# Altium PCB PCB_HydroPore.PcbDoc (part 2 of 2)
Units mm, origin at the board's own origin, x right, y up, seen from the top; angles counter-clockwise.
Board outline 152.4 x 101.6 mm, 4 copper layers (Top Layer, Int1 (GND), Int2(PWR), Bottom Layer), stack 2.14 mm thick; 268 components, 155 nets, 825 pads, 191 vias.
Unrouted connection lines stored in the file: 6.
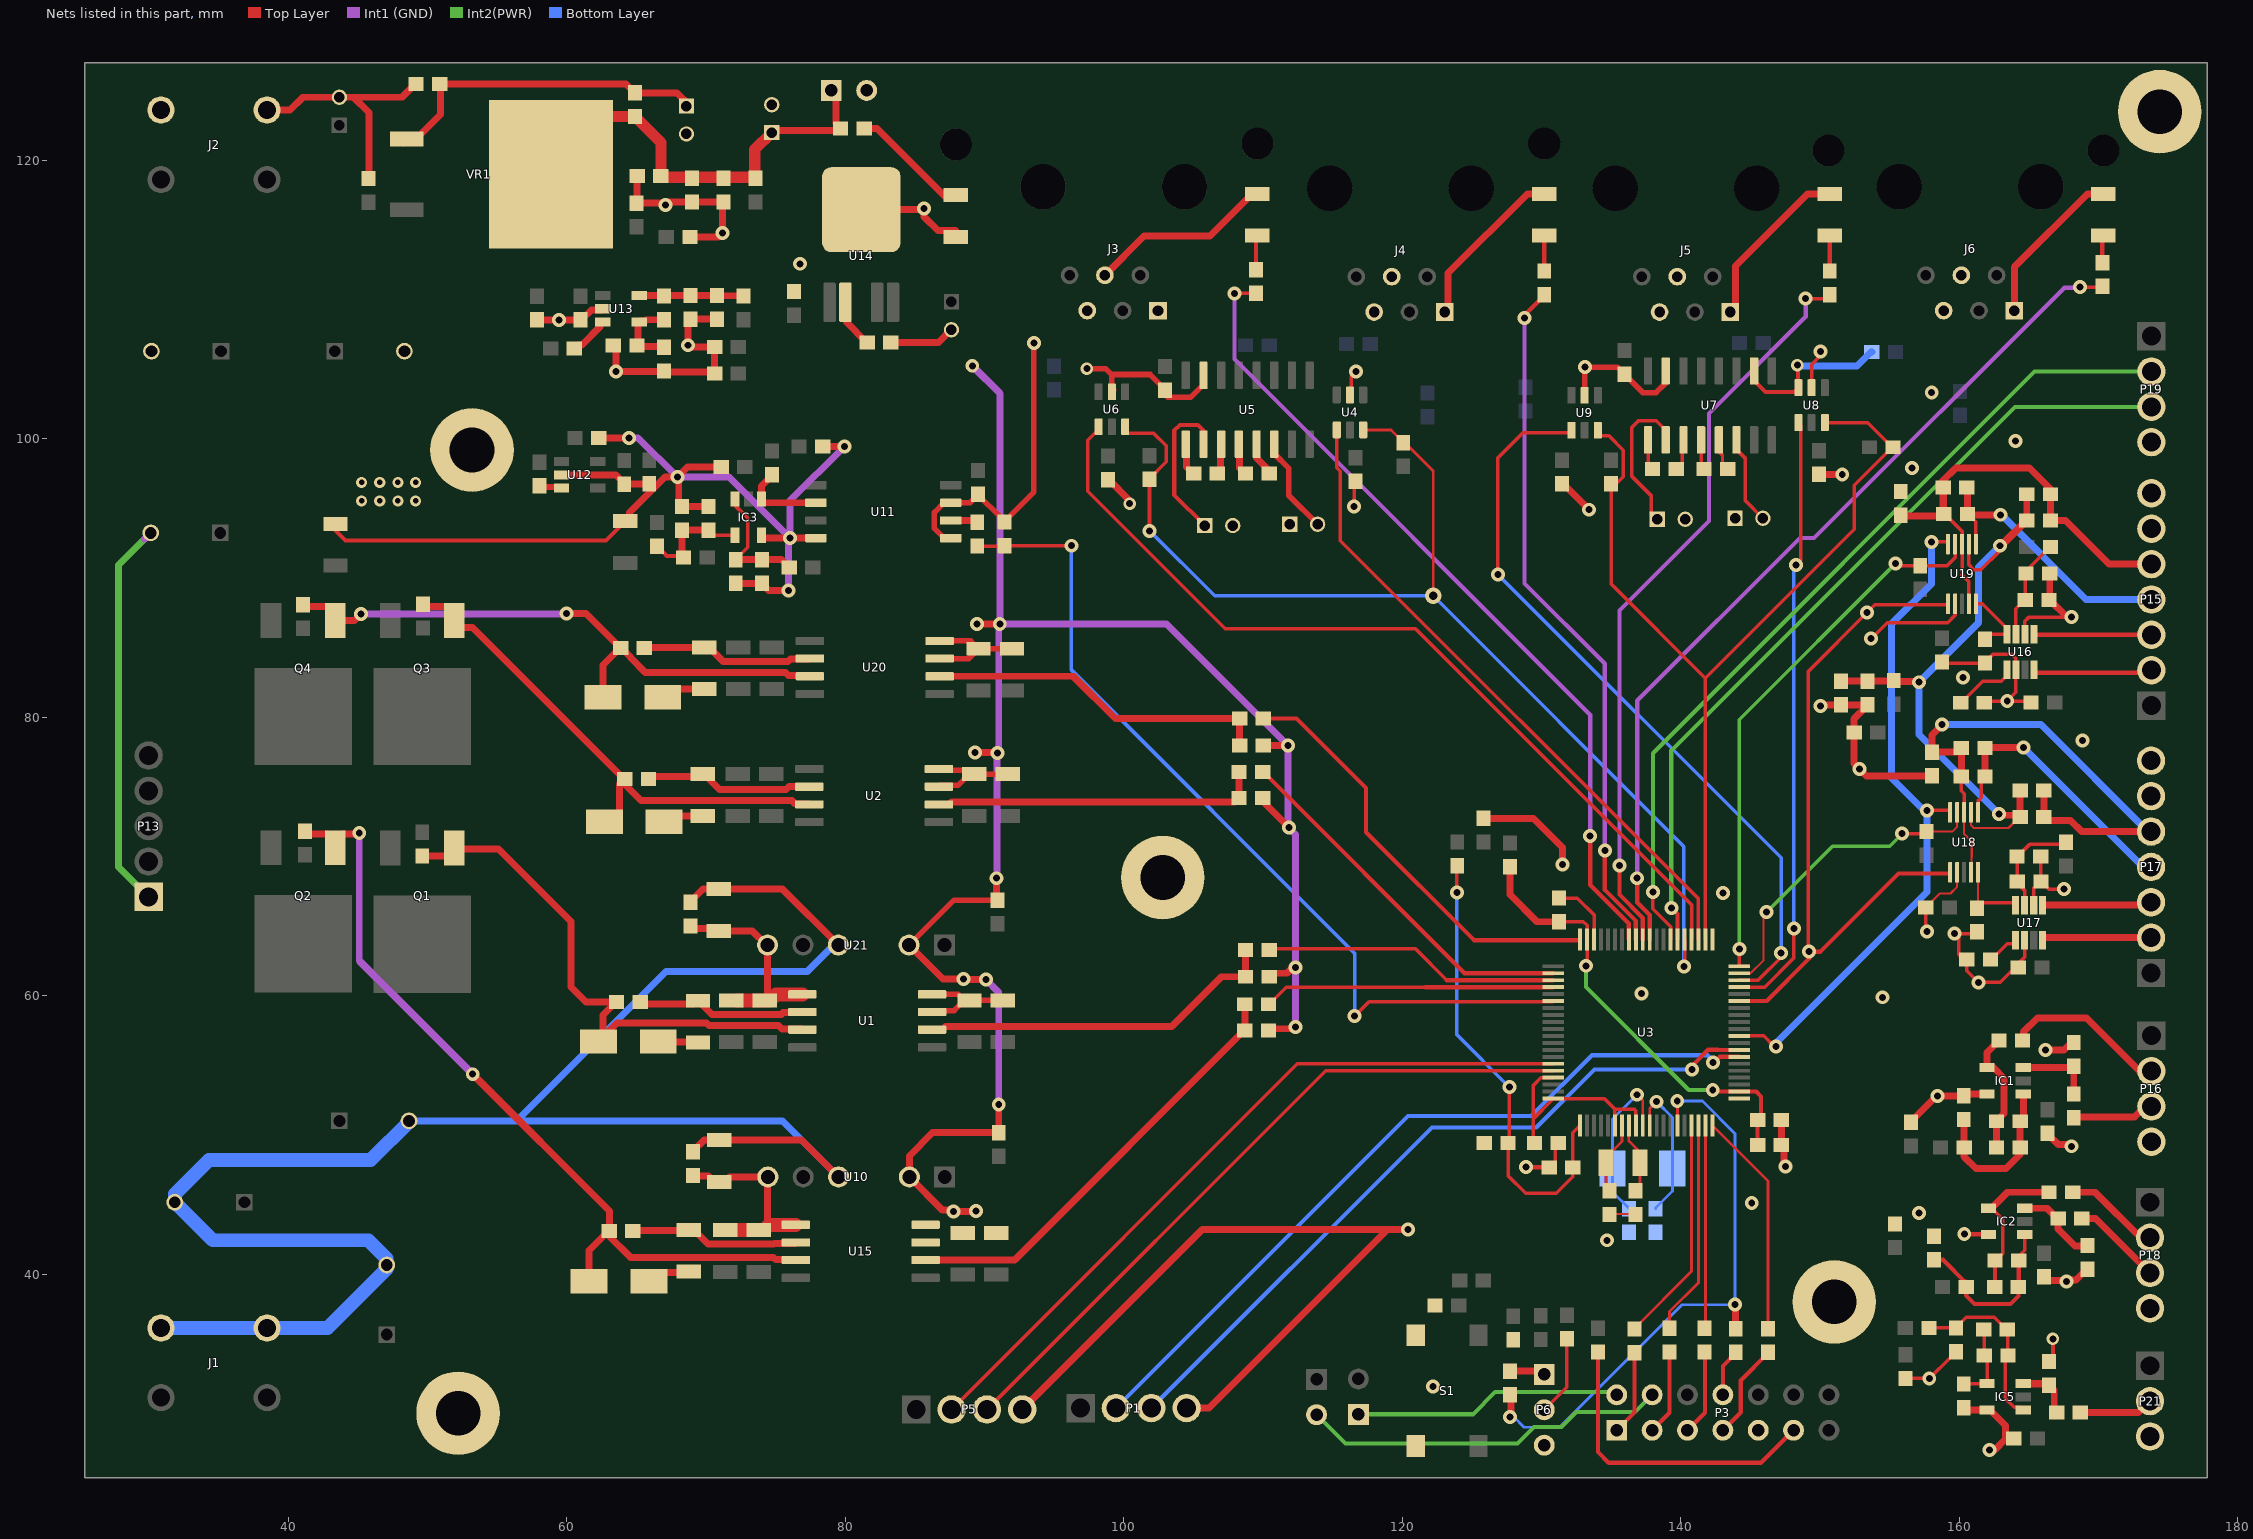
[diagram p4: the nets of this part, all layers, seen from the top]

## Via types
v1: diameter 1, hole 0.5, Top Layer to Bottom Layer, 159 vias
v2: diameter 0.8, hole 0.4, Top Layer to Bottom Layer, 23 vias
v3: diameter 0.9, hole 0.5, Top Layer to Bottom Layer, 4 vias
v4: diameter 1.1, hole 0.5, Top Layer to Bottom Layer, 3 vias
v5: diameter 1.2, hole 0.6, Top Layer to Bottom Layer, 2 vias

## Nets (pads, with @x,y where several pads share a name; then routed paths per layer and width w, separated by ;. In a path a pad name is that pad's centre, name@x,y a point inside that pad or via, vN(x,y) a via of type N, cw(c..) or ccw(c..) an arc to the next point about the centre after c; other vN are vias at no path point) (continued)
CAM4_TX*: R75.1 U7.10 U8.3 | length 11.8
  Top Layer w0.15: U8.3@148.412,103.717 U8.3@148.45,103.68
  Top Layer w0.25: U8.3@148.45,103.676 U8.3@148.45,103.68
  Top Layer w0.3: U7.10@145.275,104.875 145.275,104.19 146.09,103.375 148.149,103.375 U8.3@148.45,103.676 ; v3(148.375,105.3) 148.412,105.262 U8.3@148.412,103.717
  Bottom Layer w0.5: v3(148.375,105.3) 148.454,105.221 152.671,105.221 153.675,106.225 R75.1@153.725,106.225
CELL1_SENSE+: C95.2 C96.2 P15.4 U19.6 | length 19.8
  Top Layer w0.15: C96.2@160.6,94.6 160.65,94.6 C96.2@160.7,94.55
  Top Layer w0.25: C96.2@160.7,94.55 161.2,94.05 U19.6@161.2,92.45
  Top Layer w0.5: C96.2@160.6,94.6 C95.2@160.6,96.45 ; C96.2@160.7,94.55 v1(162.95,94.55)
  Bottom Layer w0.5: v1@162.988,94.587 169.115,88.46 P15.4@173.75,88.46
CELL1_SENSE-: C42.1 C88.1 C95.1 C96.1 P15.5 R61.1 U19.4 U19.8 | length 31.7
  Top Layer w0.25: C96.1@159.187,94.388 160.2,93.375 U19.8@160.2,92.45 160.2,90.258 160.196,90.254 160.7,89.75 U19.4@160.7,88.15
  Top Layer w0.5: R61.1@155.925,94.475 158.775,94.475 C96.1@158.9,94.6 ; C95.1@158.85,96.5 158.85,97 159.75,97.9 165.05,97.9 166.55,96.4 C88.1@166.55,96.025 C42.1@166.55,94.125 167.625,94.125 170.75,91 P15.5@173.75,91
  Top Layer w0.55: C96.1@158.85,94.65 C95.1@158.85,96.5
CELL2_SENSE+: C108.2 C109.2 P17.4 U18.6 | length 20.6
  Top Layer w0.25: U18.6@161.35,73.175 161.35,73.999 161.569,74.218 161.569,75.487 C109.2@161.85,75.768
  Top Layer w0.5: C109.2@161.85,75.768 C108.2@161.85,77.8 161.875,77.825 164.589,77.825 v1(164.615,77.85)
  Bottom Layer w0.5: v1@164.725,77.85 v1(164.615,77.85) 173.205,69.26 P17.4@173.775,69.26 ; P17.4@173.74,68.885 P17.4@173.85,68.885
CELL2_SENSE-: C43.1 C101.1 C108.1 C109.1 P17.5 R69.1 U18.4 U18.8 | length 41.9
  Top Layer w0.15: U18.8@160.35,73.35 U18.8@160.35,73.175 160.35,71.625 160.9,71.075 160.9,70.975 U18.4@160.875,68.9
  Top Layer w0.25: C109.1@160.15,75.768 160.15,74.725 160.35,74.525 U18.8@160.35,73.35
  Top Layer w0.5: v1(158.775,79.475) 158.05,78.75 R69.1@158.05,77.5 159.85,77.5 C108.1@160.15,77.8 C109.1@160.15,75.768 ; C101.1@166.075,74.75 C43.1@166.075,72.85 166.325,72.6 168,72.6 168.8,71.8 P17.5@173.775,71.8
  Bottom Layer w0.5: v1(158.775,79.475) 165.862,79.475 173.537,71.8 P17.5@173.775,71.8
CLK_LOADCELL: U3.30 U18.10 U19.10 | length 49.2
  Top Layer w0.25: U3.30@144.205,57.125 145.95,57.125 146.7,56.375 v1(146.85,56.375) ; v1(157.7,73.325) 159.335,73.325 159.35,73.31 U18.10@159.35,73.175 ; v1(158,92.6) 159.185,92.6 159.2,92.585 U19.10@159.2,92.45
  Bottom Layer w0.5: v1(146.85,56.375) 146.85,56.625 157.7,67.475 v1(157.7,73.325) 157.475,73.325 155.15,75.65 155.15,86.725 158,89.575 v1(158,92.6)
CS_LOADCELL1: R58.1 U3.40 U19.9 | length 39.7
  Top Layer w0.25: v1(144.209,63.372) 144.209,62.141 144.225,62.125 U3.40@144.845,62.125 ; v1(155.425,91.05) 155.575,90.9 R58.1@157.2,90.9 159.125,90.9 159.7,91.475 U19.9@159.7,92.45
  Int2(PWR) w0.25: v1(144.209,63.372) 144.209,79.834 v1(155.425,91.05)
CS_LOADCELL2: R66.1 U3.39 U18.9 | length 22.8
  Top Layer w0.15: U3.39@144.205,61.625 145.014,61.625 145.952,62.563 145.952,65.802 v1(146.175,66.025) ; R66.1@157.65,71.8 159.5,71.8 159.85,72.15 U18.9@159.85,72.999
  Top Layer w0.25: v1(155.9,71.65) 157.5,71.65 R66.1@157.65,71.8
  Int2(PWR) w0.25: v1(146.175,66.025) 150.9,70.75 155,70.75 v1(155.9,71.65)
EARTH: P15.7 P17.7 pad.1 pad.2 pad.3 pad.4 pad.5
ECHO_US: P19.3 U3.46 | length 58.5
  Top Layer w0.3: v1(139.325,66.325) 139.775,65.875 U3.46@139.775,64.055
  Int2(PWR) w0.3: v1(139.325,66.325) 139.325,77.625 164,102.3 P19.3@173.8,102.3
GND: C1.2 C3.2 C4.2 C6.1 C8.1 C9.1 C10.2 C12.2 C13.2 C15.2 C17.1 C19.1 C21.1 C22.1 C23.1 C24.N C25.P C26.1 C27.1 C29.1 C31.N C32.P C33.1 C37.1 C38.N C39.N C40.N C44.1 C45.1 C47.1 C50.1 C56.1 C57.1 C58.1 C59.1 C60.1 C61.N C62.1 C63.1 C64.1 C65.1 C66.1 C67.N C68.N C69.1 C70.1 C71.1 C72.N C74.1 C75.1 C76.1 C77.1 C78.1 C79.1 C80.1 C81.1 C82.1 C83.1 C84.1 C85.1 C86.2 C89.1 C90.1 C91.2 C92.1 C94.2 C97.1 C98.1 C99.2 C102.1 C103.1 C104.2 C105.1 C110.1 C111.1 C117.2 C126.1 D3.2 D4.2 D9.2 D10.2 D11.2 IC1.5 IC2.5 IC5.5 J2.1 J3.1 J3.4 J3.5 J4.1 J4.4 J4.5 J5.1 J5.4 J5.5 J6.1 J6.4 J6.5 P1.4 P3.9 P5.4 P6.3 P13.1 P14.2 P15.6 P16.4 P17.6 P18.4 P19.4 P21.3 R42.2 R47.1 R49.1 R50.1 R52.2 R54.2 R60.1 R61.2 R62.2 R64.2 R68.1 R69.2 R70.2 R79.1 R85.2 R87.2 S1.2 S1.4 U1.3 U1.4 U2.3 U2.4 U3.21 U3.41 U3.58 U4.2 U5.15 U6.2 U7.15 U8.2 U9.2 U10.2 U11.5 U11.7 U13.2 U14.3 U15.3 U15.4 U16.2 U16.6 U17.2 U17.6 U18.2 U19.2 U20.3 U20.4 U21.2 | length 530.2
  Top Layer w0.15: C84.1@130.425,47.8 C84.1@130.55,47.675 ; C22.1@134.875,44.35 C21.1@136.75,44.35 ; C102.1@157.6,66.35 158.6,67.35 159.375,67.35 159.85,67.825 U18.2@159.85,68.875 U18.2@159.85,69.025
  Top Layer w0.25: U4.2@116.25,103.155 116.337,103.242 116.337,104.487 v1(116.675,104.825) ; v1(116.55,95.15) 116.55,96.85 C19.1@116.65,96.95 ; C84.1@130.55,47.675 130.975,48.1 130.975,49.225 R52.2@131.2,49.45 ; C83.1@131.25,67.025 132.575,67.025 133.775,65.825 U3.58@133.775,64.055 ; v1(133.4,94.913) v1@133.4,94.925 ; U8.2@149.4,103.68 149.4,105.345 150.025,105.97 v1(150.025,106.275) ; C33.1@149.95,97.475 C33.1@150.05,97.375 ; v1(153.675,85.65) 154.825,86.8 159.164,86.8 159.7,87.336 U19.2@159.7,88.15 ; C126.1@156.25,32.225 156.2,32.275 156.275,32.35 156.025,32.6 156.05,32.625 C126.1@156.15,32.525 v1(157.85,32.525) 159.35,34.025 159.4,34.025 159.775,34.4 R79.1@159.775,34.45 ; C102.1@157.6,66.35 157.6,64.725 v1(157.7,64.625) ; C102.1@157.625,66.35 157.85,66.125 C102.1@157.675,66.125 ; C89.1@158.9,83.575 C89.1@159.1,83.775 ; C89.1@159.15,83.9 C90.1@161.85,83.9 161.85,83.95 162.45,84.55 163.765,84.55 164.068,84.247 164.068,83.432 U16.6@164.07,83.43 164.07,81.795 v1(163.45,81.175) ; R60.1@160.325,52.825 R60.1@160.45,52.95 ; C103.1@161.275,64.6 161.275,64.575 161.175,64.475 v1(159.675,64.475) 159.975,64.175 159.975,62.975 160.35,62.6 C110.1@160.55,62.6 160.55,61.8 v1(161.375,60.975) 162.952,60.975 C105.1@164.1,62.123 ; C97.1@161.8,81.05 161.925,81.175 v1(163.45,81.175) ; IC5.5@162,30.25 IC5.5@162.225,30.25 ; C105.1@164.1,62.25 164.25,62.4 164.3,62.4 164.72,62.82 U17.6@164.72,64.28 ; U16.2@164.7,86.225 164.7,86.9 164.975,87.175 168.025,87.175 v1(168.05,87.2) ; C92.1@165.15,81.075 165.05,81.175 v1(163.45,81.175) ; U17.2@165.351,66.522 165.351,67.757 165.817,68.223 C99.2@165.867,68.223 ; R62.2@165.85,70.025 165.85,68.241 C99.2@165.867,68.223 ; C86.2@166.45,88.425 C86.2@166.5,88.475 ; v1(167.525,67.675) 166.416,67.675 C99.2@165.867,68.223 ; R64.2@167.95,56.525 168.025,56.45 R64.2@168.225,56.65
  Top Layer w0.3: v1(128.9,47.7) 130.175,47.7 130.225,47.65 130.4,47.825 C84.1@130.425,47.8 ; v1(160.363,42.888) 162.063,42.888 IC2.5@162.1,42.85 ; R87.2@166.45,33.75 166.725,34.025 v3(166.725,35.375)
  Top Layer w0.4: U21.2@84.585,63.65 87.81,66.875 90.875,66.875 C26.1@90.925,66.875 ; U1.3@86.235,58.845 86.33,58.94 87.815,58.94 88.55,59.675 88.11,60.115 U1.4@86.235,60.115 ; U2.3@86.73,75.023 86.825,75.118 88.09,75.118 C8.1@88.9,75.928 ; U2.4@86.73,76.293 86.825,76.198 88.63,76.198 C8.1@88.9,75.928 ; U20.3@86.777,84.223 88.87,84.223 C12.2@89.575,84.928 ; U20.4@86.777,85.493 89.01,85.493 C12.2@89.575,84.928 ; U11.5@87.579,92.873 87.104,92.873 86.404,93.573 86.404,94.713 87.104,95.413 U11.7@87.579,95.413 88.974,95.413 C47.1@89.539,95.978 ; C15.2@88.925,59.675 C1.2@91.325,59.675 ; C47.1@89.539,96.028 C47.1@89.539,95.978 ; C50.1@91.675,75.928 C8.1@89.275,75.928 C8.1@88.9,75.928 ; C10.2@91.975,84.928 C12.2@89.575,84.928 ; v1(93.55,106.875) 93.55,96.189 91.439,94.078 R42.2@91.439,94.028 91.139,94.328 91.139,94.378 C47.1@89.539,95.978 ; v3(97.35,105.05) 98.7,105.05 99.125,104.625 ; U6.2@99.275,103.525 99.125,103.675 99.125,104.625 ; U5.15@105.73,104.566 105.73,103.906 104.824,103 103.15,103 102.775,103.375 102.775,103.74 101.89,104.625 99.125,104.625 ; U9.2@133.1,103.13 133.112,103.142 133.112,105.138 v1(133.125,105.15) 135.45,105.15 137.275,103.325 138.225,103.325 138.925,104.025 U7.15@138.925,104.875
  Top Layer w0.5: J2.1@38.481,123.618 40.143,123.618 41.058,124.533 C67.N@43.675,124.533 44.692,124.533 ; C69.1@45.8,118.675 45.8,123.425 44.692,124.533 ; R50.1@49.175,125.5 49.125,125.5 48.158,124.533 44.692,124.533 ; C60.1@57.875,108.55 v1(59.438,108.55) C59.1@61,108.55 ; C59.1@61.113,108.6 61.782,109.269 62.524,109.269 U13.2@62.599,109.344 ; R49.1@63.35,106.7 63.525,106.525 v1(63.525,104.825) 66.874,104.825 66.949,104.9 C71.1@66.977,104.872 67.06,104.789 70.538,104.789 C63.1@70.621,104.706 C62.1@70.621,106.611 68.989,106.611 68.875,106.725 v1(68.725,106.725) 68.725,108.395 68.7,108.42 C65.1@68.882,108.602 C66.1@70.787,108.602 ; C70.1@65.063,118.872 65.043,118.853 65.043,116.948 C75.1@65.024,116.928 66.972,116.928 v1(67.1,116.8) 67.306,117.006 C76.1@69.007,117.006 C77.1@71.266,117.006 71.2,116.94 v1(71.2,114.8) 70.9,114.5 C74.1@68.85,114.5 ; C64.1@76.313,110.592 C64.1@76.327,110.578 ; U14.3@81.153,116.459 85.559,116.459 v1(85.65,116.55) 85.65,115.95 86.649,114.951 87.924,114.951 D9.2@87.95,114.925 ; P14.2@81.54,125.025 P14.2@81.55,125.035 ; R47.1@83.273,106.934 86.697,106.934 87.602,107.839 C61.N@87.63,107.839 ; U21.2@84.585,63.65 87.035,61.2 v1(88.5,61.2) 88.513,61.188 90.088,61.188 v1(90.1,61.175) ; v1(89.325,77.475) 89.338,77.462 90.938,77.462 v1(90.95,77.45) ; v1(89.4,44.55) 89.363,44.513 v1(87.763,44.513) 87.667,44.608 86.997,44.608 U10.2@84.605,47 84.605,48.504 86.276,50.175 C37.1@91.025,50.175 v1(91.025,52.2) ; v1(89.45,86.7) v1(91.1,86.7) ; v1(90.875,68.45) 90.875,66.875 90.875,66.825 C26.1@90.925,66.875 ; P5.4@92.715,30.3 105.64,43.225 118.95,43.225 ; J3.4@98.65,111.75 101.469,114.569 106.194,114.569 109.225,117.6 D3.2@109.6,117.6 ; C23.1@98.875,97.075 98.9,97.1 100.425,95.575 v3(100.425,95.35) ; P1.4@104.515,30.4 106.125,30.4 118.95,43.225 ; C4.2@109.975,74.2 109.975,74.006 v1(111.875,72.106) ; C94.2@110.025,77.975 v1(111.8,77.975) ; C13.2@110.4,57.5 110.541,57.641 112.191,57.641 v1(112.325,57.775) ; C3.2@110.45,61.375 110.7,61.625 111.736,61.625 112.136,62.025 v1(112.325,62.025) ; v1(120.425,43.225) 118.95,43.225 ; J4.1@123.06,109.11 123.3,109.35 123.3,111.9 129,117.6 D4.2@130.2,117.6 ; C80.1@125.825,72.75 129.425,72.75 131.525,70.65 v1(131.525,69.45) ; C29.1@131.5,96.825 v1@133.4,94.925 ; J5.1@143.56,109.11 143.925,109.475 143.925,112.425 149.1,117.6 D10.2@150.7,117.6 ; C81.1@147.225,51.075 C82.1@147.225,49.3 147.429,49.096 147.429,47.846 v1(147.525,47.75) ; C33.1@149.925,97.45 C33.1@149.95,97.475 ; v1(150.025,80.825) 150.1,80.9 C57.1@151.5,80.9 C58.1@153.4,80.9 153.4,80.85 152.45,79.9 C56.1@152.45,78.9 152.45,76.7 153.35,75.8 R69.2@158.05,75.8 ; C33.1@150.05,97.375 150.125,97.45 v1(151.6,97.45) ; C98.1@156.525,50.925 156.525,50.975 158.375,52.825 v1(158.425,52.825) R60.1@160.325,52.825 ; R70.2@160.325,30.425 160.5,30.25 IC5.5@162,30.25 ; R60.1@160.45,52.95 IC1.5@162,52.95 ; v1(162.175,27.4) 162.55,27.4 163.325,28.175 163.325,29.15 IC5.5@162.225,30.25 ; J6.1@163.96,109.21 163.96,112.36 169.2,117.6 D11.2@170.35,117.6 ; C104.2@166.1,39.9 166.1,39.85 166.35,39.6 166.4,39.6 166.45,39.55 167.65,39.55 v1(167.7,39.5) 167.796,39.596 168.396,39.596 169.1,40.3 R85.2@169.1,40.35 ; v1(166.2,56.1) 167.525,56.1 R64.2@167.95,56.525 ; C91.2@166.35,50.125 166.35,50.075 167.11,49.315 167.96,49.315 v1(168.075,49.2) ; C86.2@166.45,88.425 166.5,88.425 167.725,87.2 v1(168.05,87.2) ; C86.2@166.5,88.475 R54.2@166.5,90.325
  Int1 (GND) w0.5: 29.675,92.8 C39.N@30.125,93.25 ; v1(89.125,105.25) 91.1,103.275 v1(91.1,86.7) ; v1(89.325,77.475) v1@89.338,77.462 ; v1(90.1,61.175) 91.025,60.25 v1(91.025,52.2) ; v1(90.875,68.45) 90.913,68.488 90.913,77.412 v1(90.95,77.45) ; v1@90.938,77.462 v1(90.95,77.45) ; v1(112.325,57.775) v1(112.325,62.025) 112.325,71.6 111.875,72.05 v1(111.875,72.106) 111.875,72.3 111.8,72.375 v1(111.8,77.975) 103.075,86.7 v1(91.1,86.7) ; v1(90.95,77.45) 91.025,77.525 91.025,86.625 v1(91.1,86.7)
  Int2(PWR) w0.5: P13.1@29.975,67.11 27.825,69.26 27.825,90.95 C39.N@30.125,93.25
  other v1: 122.225,31.95 134.7,42.45 157.125,44.4 145.1,45.125 154.5,59.9 137.175,60.175 143.025,67.375 152.825,76.3 168.85,78.35 160.275,82.875 156.6,97.9 164.05,99.85 158.025,103.325 76.75,112.575
GND*: C34.N C35.N C36.N C41.1 C46.1 C48.1 C49.2 C51.1 C52.1 C53.1 C54.1 C55.1 C106.1 IC3.5 J1.1 R1.1 R32.1 R38.2 R41.1 R77.1 U10.4 U11.4 U12.2 U21.4 | length 220.6
  Top Layer w0.3: R32.1@43.4,93.9 43.4,93.425 44.125,92.7 62.825,92.7 R41.1@64.25,94.125
  Top Layer w0.5: U12.2@59.629,97.412 63.524,97.412 64.161,96.775 C54.1@65.925,96.775 ; C55.1@62.3,100.075 v1(64.475,100.075) ; R41.1@64.25,94.125 64.275,94.125 64.5,94.35 64.5,94.7 67.05,97.25 v1(67.95,97.25) ; C106.1@68.9,66.725 68.9,66.775 69.8,67.675 R77.1@70.925,67.675 75.48,67.675 U21.4@79.505,63.65 ; C41.1@69.075,48.8 69.075,48.85 69.875,49.65 R1.1@70.95,49.65 76.875,49.65 U10.4@79.525,47 ; C51.1@70.186,95.143 C52.1@68.281,95.143 68.046,95.378 68.046,97.154 v1(67.95,97.25) ; C46.1@71.089,97.978 68.678,97.978 v1(67.95,97.25) ; R38.2@72.139,89.628 C48.1@74.039,89.628 74.039,89.596 74.509,89.125 v1(75.925,89.125) ; IC3.5@73.989,93.078 74.194,92.873 v1(76.044,92.873) U11.4@77.899,92.873 ; C49.2@78.386,99.459 v1(79.934,99.459)
  Int1 (GND) w0.5: v1(64.475,100.075) 65.125,100.075 v1(67.95,97.25) 71.667,97.25 v1(76.044,92.873) ; v1(75.925,89.125) 75.925,92.754 v1(76.044,92.873) ; v1(79.934,99.459) 76.044,95.569 v1(76.044,92.873)
  Bottom Layer w0.5: C34.N@48.675,51.025 48.75,51.025 56.402,51.025 ; U21.4@79.505,63.65 79.175,63.65 77.275,61.75 67.127,61.75 56.402,51.025 ; U10.4@79.525,47 75.5,51.025 56.402,51.025
  Bottom Layer w1: J1.1@30.865,36.15 J1.1@38.485,36.15 42.825,36.15 47.075,40.4 C36.N@47.075,40.675 47.075,41.15 45.775,42.45 34.6,42.45 31.875,45.175 31.875,45.775 34.3,48.2 45.925,48.2 C34.N@48.75,51.025
  other v2: 45.275,95.55 46.575,95.55 47.875,95.55 49.15,95.55 45.275,96.875 46.575,96.875 47.875,96.875 49.15,96.875
GPIO_B: R3.2 U3.62 | length 26.9
  Top Layer w0.3: R3.2@109.975,76.075 110.025,76.075 124.475,61.625 U3.62@130.845,61.625
GPIO_D: R15.2 U3.60 | length 31.3
  Top Layer w0.3: R15.2@110.025,79.925 112.4,79.925 117.4,74.925 117.4,71.75 125.15,64 132.765,64 132.775,64.01 U3.60@132.775,64.055
I2C_SCL: P5.3 U3.76 | length 50.7
  Top Layer w0.25: P5.3@90.18,30.3 114.505,54.625 U3.76@130.845,54.625
I2C_SDA: P5.2 U3.75 | length 53.5
  Top Layer w0.25: P5.2@87.64,30.3 112.465,55.125 U3.75@130.845,55.125
LED_CAM1: R88.1 U3.53 | length 59.7
  Top Layer w0.25: v1(107.95,110.45) R88.1@109.5,110.45
  Top Layer w0.3: v1(133.5,71.475) 133.5,67.957 136.265,65.192 136.265,64.065 U3.53@136.275,64.055
  Int1 (GND) w0.3: v1(107.95,110.45) 107.95,105.725 133.5,80.175 v1(133.5,71.475)
LED_CAM2: R89.1 U3.52 | length 50.2
  Top Layer w0.3: v1(128.775,108.675) 128.775,108.875 130.2,110.3 R89.1@130.2,110.35 ; v1(134.55,70.45) 134.55,67.614 136.775,65.389 U3.52@136.775,64.055
  Int1 (GND) w0.3: v1(128.775,108.675) 128.775,89.625 134.55,83.85 v1(134.55,70.45)
LED_CAM3: R90.1 U3.51 | length 54.1
  Top Layer w0.25: v1(148.975,110.075) 150.425,110.075 R90.1@150.7,110.35
  Top Layer w0.3: v1(135.6,69.375) 135.6,67.271 137.275,65.596 U3.51@137.275,64.055
  Int1 (GND) w0.3: v1(135.6,69.375) 135.6,87.673 142.025,94.098 142.025,101.825 148.975,108.775 v1(148.975,110.075)
LED_CAM4: R91.1 U3.50 | length 63.4
  Top Layer w0.25: v1(168.675,110.9) 170.175,110.9 170.225,110.85 170.275,110.9 R91.1@170.275,110.95
  Top Layer w0.3: v1(136.875,68.45) 136.875,66.703 137.775,65.803 U3.50@137.775,64.055
  Int1 (GND) w0.3: v1(136.875,68.45) 136.875,81.2 148.554,92.879 149.576,92.879 167.547,110.85 v1@168.8,110.85
MISO_LOADCELL: U3.35 U18.1 U19.1 | length 51.3
  Top Layer w0.25: v1(149.225,63.175) 149.146,63.254 149.146,83.296 v1(153.387,87.537) 153.925,88.075 U19.1@159.15,88.075
  Top Layer w0.3: U3.35@144.205,59.625 146.175,59.625 149.225,62.675 v1(149.225,63.175) 150.025,63.175 155.65,68.8 U18.1@159.25,68.8
NetC3_1: C3.1 R2.1 U1.2 | length 26
  Top Layer w0.5: U1.2@86.235,57.575 86.965,57.575 87.19,57.8 103.45,57.8 107.025,61.375 C3.1@108.75,61.375 R2.1@108.75,63.3
NetC4_1: C4.1 R3.1 U2.2 | length 23.9
  Top Layer w0.5: U2.2@86.73,73.753 87.46,73.753 87.632,73.925 108,73.925 C4.1@108.275,74.2 R3.1@108.275,76.075 R3.1@108.096,76.254
NetC13_1: C13.1 R14.1 U15.2 | length 31.7
  Top Layer w0.5: U15.2@85.768,41.025 92.175,41.025 108.65,57.5 C13.1@108.7,57.5 R14.1@108.7,59.4
NetC18_1: C18.1 U5.1 | length 2.4
  Top Layer w0.5: U5.1@104.46,99.616 104.51,99.566 104.51,97.99 104.975,97.525 C18.1@105.025,97.525
NetC18_2: C18.2 U5.3 | length 2.2
  Top Layer w0.5: C18.2@106.725,97.525 106.95,97.75 106.95,99.566 U5.3@107,99.616
NetC20_1: C20.1 U5.4 | length 2.3
  Top Layer w0.5: U5.4@108.27,99.616 108.32,99.566 108.32,97.905 108.7,97.525 C20.1@108.75,97.525
NetC20_2: C20.2 U5.5 | length 2.5
  Top Layer w0.5: U5.5@109.54,99.616 109.54,98.635 110.4,97.775 110.4,97.525 C20.2@110.45,97.525
NetC21_2: C21.2 U3.8 Y1.1 | length 5.1
  Top Layer w0.2: U3.8@136.275,50.695 136.275,49.575 137.079,48.771 Y1.1@137.079,48.01 137.079,46.379 C21.2@136.75,46.05
NetC22_2: C22.2 U3.7 Y1.2 | length 5.2
  Top Layer w0.2: C22.2@134.875,46.05 134.64,46.285 Y1.2@134.64,48.01 134.64,48.416 135.775,49.551 U3.7@135.775,50.695
NetC24_P: C24.P U5.2 | length 11.2
  Top Layer w0.3: U5.2@105.73,99.616 105.73,100.595 105.32,101.005 104.037,101.005 103.625,100.593 103.625,95.975 C24.P@105.825,93.775
NetC25_N: C25.N U5.6 | length 7
  Top Layer w0.4: U5.6@110.81,99.616 110.81,98.931 111.846,97.895 111.846,95.954 C25.N@113.925,93.875
NetC28_1: C28.1 U7.3 | length 2.3
  Top Layer w0.25: C28.1@139.675,97.825 139.725,97.825 140.1,98.2 140.1,99.83 U7.3@140.195,99.925
NetC28_2: C28.2 U7.1 | length 2.2
  Top Layer w0.25: U7.1@137.655,99.925 137.655,98.145 C28.2@137.975,97.825
NetC30_1: C30.1 U7.4 | length 2.2
  Top Layer w0.25: U7.4@141.465,99.925 141.465,98.035 C30.1@141.675,97.825
NetC30_2: C30.2 U7.5 | length 2.4
  Top Layer w0.25: U7.5@142.735,99.925 142.735,99.09 143,98.825 143,98.15 143.325,97.825 C30.2@143.375,97.825
NetC31_P: C31.P U7.2 | length 10.9
  Top Layer w0.25: C31.P@138.325,94.225 137.9,94.65 137.9,95.9 136.5,97.3 136.5,100.825 136.964,101.289 138.246,101.289 138.925,100.61 U7.2@138.925,99.925
NetC32_N: C32.N U7.6 | length 6.4
  Top Layer w0.25: U7.6@144.005,99.925 144.005,99.24 144.65,98.595 144.65,95.55 C32.N@145.9,94.3
NetC42_2: C42.2 C43.2 C57.2 C58.2 C88.2 C101.2 FB1.2 U18.7 U19.7 | length 47.5
  Top Layer w0.15: U18.7@160.85,73.175 160.85,72.25 161.039,72.061 163.536,72.061 164.252,72.777 C43.2@164.252,72.973
  Top Layer w0.25: U19.7@160.7,92.45 160.7,90.95 161.05,90.6 161.55,90.6 162.925,91.975 v1(162.925,92.325) v1@163,92.325 ; C42.2@164.8,94.125 C42.2@164.85,94.125
  Top Layer w0.5: C57.2@151.5,82.6 151.525,82.625 155.275,82.625 FB1.2@155.3,82.65 155.363,82.588 157.062,82.588 v1(157.125,82.525) ; v1(162.85,73.05) 162.927,72.973 164.252,72.973 C43.2@164.375,72.85 C101.2@164.375,74.75 ; C42.2@164.85,94.125 C88.2@164.85,96.025
  Top Layer w0.55: v1@163,92.325 C42.2@164.8,94.125
  Bottom Layer w0.5: v1(162.85,73.05) 157.125,78.775 v1(157.125,82.525) 161.4,86.8 161.4,90.8 v1(162.925,92.325)
NetC44_2: C44.2 U3.10 Y2.2 | length 11.8
  Top Layer w0.2: v1(136.85,52.9) 137.275,52.475 U3.10@137.275,50.695
  Bottom Layer w0.2: C44.2@136.3,44.725 135.1,45.925 Y2.2@135.1,47.6 135.1,51.15 v1(136.85,52.9)
NetC45_2: C45.2 U3.11 Y2.1 | length 10.6
  Top Layer w0.2: U3.11@137.775,50.695 137.778,50.698 137.778,51.903 v1(138.275,52.4)
  Bottom Layer w0.2: C45.2@138.2,44.725 138.2,44.775 139.4,45.975 Y2.1@139.4,47.6 139.4,51.275 v1(138.275,52.4)
NetC48_2: C48.2 IC3.3 R35.2 R38.1 | length 9.1
  Top Layer w0.25: IC3.3@72.089,95.678 72.089,95.217 72.989,94.317 72.989,92.228 72.139,91.378 R38.1@72.139,91.328